# KiCad board Swan40.kicad_pcb
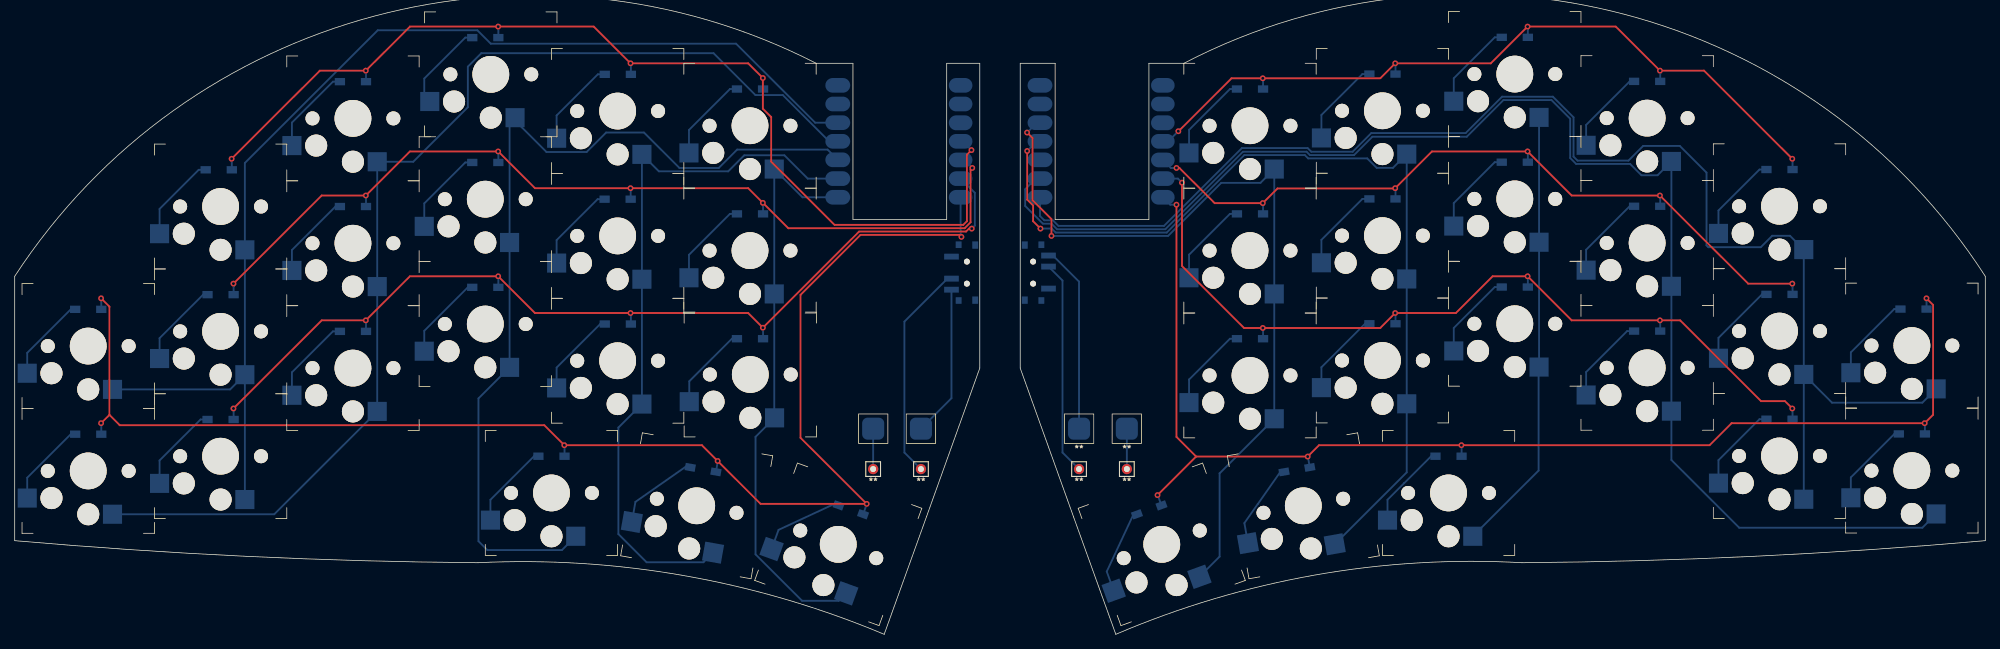
[diagram p0: board, top side]
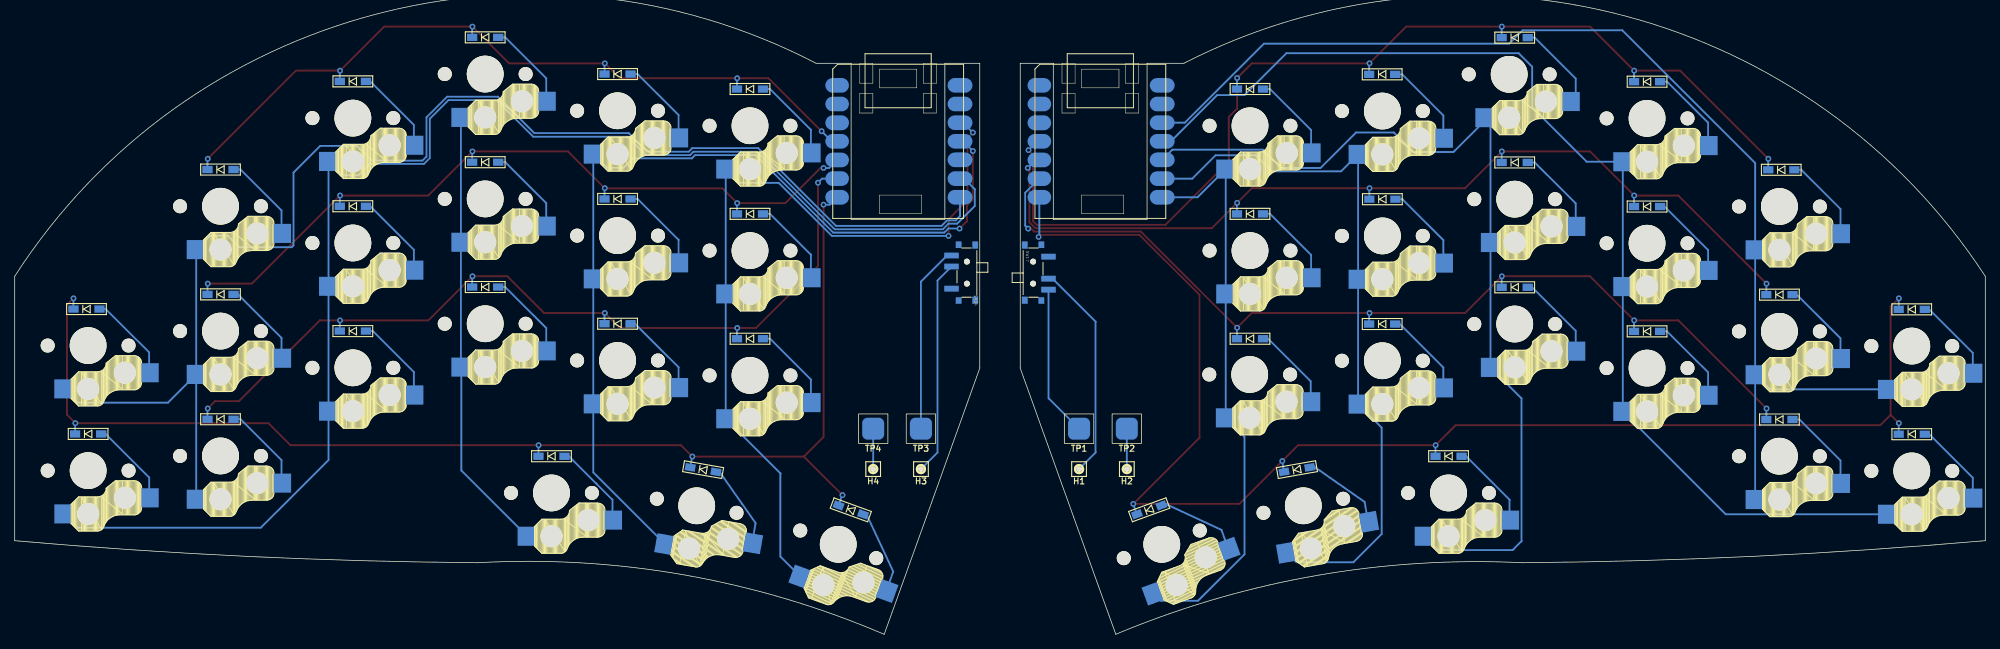
[diagram p1: board, bottom side, seen from below]

Outline 268 x 87.19 mm; copper layers: Top, Bottom. Coordinates in mm from the lower left corner of the outline.
Outline path: 0,48.75 0,12.75 arc(31.47,10.62) 63,9.75 arc(91.17,7.97) 118.25,0 124,16 131.25,36.25 131.25,77.75 126.75,77.75 126.75,56.5 114,56.5 114,77.75 109,77.75 arc(48.93,84.19) 0,48.75 ; 136.75,77.75 136.75,36.25 144,16 149.75,0 arc(176.81,8.07) 205,9.75 arc(236.53,10.62) 268,12.75 268,48.75 arc(219.12,84.37) 159,77.75 154.25,77.75 154.25,56.5 141.5,56.5 141.5,77.75 136.75,77.75

## Placement (name value [footprint] x y rotation side)
D1  D  [D3_SMD_v2]  27.75 63.25 180 bottom
D2  D  [D3_SMD_v2]  28 46.25 180 bottom
D3  D  [D3_SMD_v2]  28 29.25 180 bottom
D4  D  [D3_SMD_v2]  10 44.25 180 bottom
D5  D  [D3_SMD_v2]  46 75.25 180 bottom
D6  D  [D3_SMD_v2]  46 58.25 180 bottom
D7  D  [D3_SMD_v2]  46 41.25 180 bottom
D8  D  [D3_SMD_v2]  10 27.25 180 bottom
D9  D  [D3_SMD_v2]  64 81.25 180 bottom
D10  D  [D3_SMD_v2]  64 64.25 180 bottom
D11  D  [D3_SMD_v2]  64 47.25 180 bottom
D12  D  [D3_SMD_v2]  73 24.25 180 bottom
D13  D  [D3_SMD_v2]  82.03 76.25 180 bottom
D14  D  [D3_SMD_v2]  82 59.25 180 bottom
D15  D  [D3_SMD_v2]  82.03 42.25 180 bottom
D16  D  [D3_SMD_v2]  93.62 22.42 170 bottom
D17  D  [D3_SMD_v2]  100 74.25 180 bottom
D18  D  [D3_SMD_v2]  100 57.25 180 bottom
D19  D  [D3_SMD_v2]  100 40.25 180 bottom
D20  D  [D3_SMD_v2]  113.71 16.95 160 bottom
D21  D  [D3_SMD_v2]  168 74.25 180 bottom
D22  D  [D3_SMD_v2]  168 57.25 180 bottom
D23  D  [D3_SMD_v2]  168 40.25 180 bottom
D24  D  [D3_SMD_v2]  154.29 16.95 200 bottom
D25  D  [D3_SMD_v2]  186.01 76.29 180 bottom
D26  D  [D3_SMD_v2]  186.01 59.29 180 bottom
D27  D  [D3_SMD_v2]  186.01 42.29 180 bottom
D28  D  [D3_SMD_v2]  174.38 22.42 190 bottom
D29  D  [D3_SMD_v2]  204.01 81.29 180 bottom
D30  D  [D3_SMD_v2]  204.01 64.29 180 bottom
D31  D  [D3_SMD_v2]  204.01 47.29 180 bottom
D32  D  [D3_SMD_v2]  195 24.25 180 bottom
D33  D  [D3_SMD_v2]  222.01 75.29 180 bottom
D34  D  [D3_SMD_v2]  222.01 58.29 180 bottom
D35  D  [D3_SMD_v2]  222.01 41.29 180 bottom
D36  D  [D3_SMD_v2]  258.01 27.29 180 bottom
D37  D  [D3_SMD_v2]  240.01 63.29 180 bottom
D38  D  [D3_SMD_v2]  240.01 46.29 180 bottom
D39  D  [D3_SMD_v2]  240.01 29.29 180 bottom
D40  D  [D3_SMD_v2]  258.24 44.29 180 bottom
H1  BAT+  [1pin_conn]  123.25 22.5 180 bottom
H2  BAT-  [1pin_conn]  116.75 22.5 180 bottom
H3  BAT+  [1pin_conn]  144.75 22.5 180 bottom
H4  BAT-  [1pin_conn]  151.25 22.5 180 bottom
SW1  SW_PUSH  [ChocV1_V2_Hotswap]  28 58.25 0 top
SW2  SW_PUSH  [ChocV1_V2_Hotswap]  28 41.25 0 top
SW3  SW_PUSH  [ChocV1_V2_Hotswap]  28 24.25 0 top
SW4  SW_PUSH  [ChocV1_V2_Hotswap]  10 39.25 0 top
SW5  SW_PUSH  [ChocV1_V2_Hotswap]  46 70.25 0 top
SW6  SW_PUSH  [ChocV1_V2_Hotswap]  46 53.25 0 top
SW7  SW_PUSH  [ChocV1_V2_Hotswap]  46 36.25 0 top
SW8  SW_PUSH  [ChocV1_V2_Hotswap]  10 22.25 0 top
SW9  SW_PUSH  [ChocV1_V2_Hotswap]  64.75 76.25 0 top
SW10  SW_PUSH  [ChocV1_V2_Hotswap]  64 59.25 0 top
SW11  SW_PUSH  [ChocV1_V2_Hotswap]  64 42.25 0 top
SW12  SW_PUSH  [ChocV1_V2_Hotswap]  73 19.25 0 top
SW13  SW_PUSH  [ChocV1_V2_Hotswap]  82 71.25 0 top
SW14  SW_PUSH  [ChocV1_V2_Hotswap]  82 54.25 0 top
SW15  SW_PUSH  [ChocV1_V2_Hotswap]  82 37.25 0 top
SW16  SW_PUSH  [ChocV1_V2_Hotswap]  92.75 17.5 350 top
SW17  SW_DPDT_x2  [MSK-12C02]  129.5 49.25 270 bottom
SW18  SW_PUSH  [ChocV1_V2_Hotswap]  100 69.25 0 top
SW19  SW_PUSH  [ChocV1_V2_Hotswap]  100 52.25 0 top
SW20  SW_PUSH  [ChocV1_V2_Hotswap]  100.04 35.38 0 top
SW21  SW_PUSH  [ChocV1_V2_Hotswap]  112 12.25 340 top
SW22  SW_PUSH  [ChocV1_V2_Hotswap]  168 69.25 0 top
SW23  SW_PUSH  [ChocV1_V2_Hotswap]  168 52.25 0 top
SW24  SW_PUSH  [ChocV1_V2_Hotswap]  168 35.25 0 top
SW25  SW_PUSH  [ChocV1_V2_Hotswap]  156 12.25 20 top
SW26  SW_PUSH  [ChocV1_V2_Hotswap]  186.01 71.29 0 top
SW27  SW_PUSH  [ChocV1_V2_Hotswap]  186.01 54.29 0 top
SW28  SW_PUSH  [ChocV1_V2_Hotswap]  186.01 37.29 0 top
SW29  SW_PUSH  [ChocV1_V2_Hotswap]  175.25 17.5 10 top
SW30  SW_PUSH  [ChocV1_V2_Hotswap]  204.01 76.29 0 top
SW31  SW_PUSH  [ChocV1_V2_Hotswap]  204.01 59.29 0 top
SW32  SW_PUSH  [ChocV1_V2_Hotswap]  204.01 42.29 0 top
SW33  SW_PUSH  [ChocV1_V2_Hotswap]  195 19.25 0 top
SW34  SW_DPDT_x2  [MSK-12C02]  138.5 49.25 90 bottom
SW35  SW_PUSH  [ChocV1_V2_Hotswap]  222.01 70.29 0 top
SW36  SW_PUSH  [ChocV1_V2_Hotswap]  222.01 53.29 0 top
SW37  SW_PUSH  [ChocV1_V2_Hotswap]  222.01 36.29 0 top
SW38  SW_PUSH  [ChocV1_V2_Hotswap]  258.01 22.29 0 top
SW39  SW_PUSH  [ChocV1_V2_Hotswap]  240.01 58.29 0 top
SW40  SW_PUSH  [ChocV1_V2_Hotswap]  240.01 41.29 0 top
SW41  SW_PUSH  [ChocV1_V2_Hotswap]  240.01 24.29 0 top
SW42  SW_PUSH  [ChocV1_V2_Hotswap]  258.02 39.32 0 top
TP1  BOARD+  [1pad_conn_board]  123.25 28 180 bottom
TP2  BOARD-  [1pad_conn_board]  116.75 28 180 bottom
TP3  BOARD+  [1pad_conn_board]  144.75 28 180 bottom
TP4  BOARD-  [1pad_conn_board]  151.25 28 180 bottom
U1  -  [xiao_nrf52840]  129.25 56.63 180 bottom
U2  -  [xiao_nrf52840]  156.75 56.63 180 bottom

## Library data of the parts
D1-D40 = -: Description: Diode; Sim.Pins: 1=K 2=A
H1-H4 = -: Description: Mounting Hole with connection
SW17 SW34 = -: Description: Switch, dual pole double throw, separate symbols
TP1-TP4 = -: Description: test point

## Footprints (pads in the part's own frame, mm; a bottom-side part is the same pattern mirrored in y, then rotated)
1pad_conn_board
  rrect 3x3 smd: 1(0,0)
1pin_conn
  round 1.397 hole 0.813: 1(0,0)
ChocV1_V2_Hotswap
  round 1.9 hole 1.9 unplated: (-5.5,0) (5.5,0)
  round 3 hole 3 unplated: (-5,-3.7) (0,-5.9)
  round 5 hole 5 unplated: (0,0)
  rect 2.6x2.6 smd far side: 1(-8.3,-3.7) 2(3.3,-5.9)
D3_SMD_v2
  rect 1.4x1 smd: 1(-1.775,0) 2(1.775,0)
MSK-12C02
  round 0.8 hole 0.8 unplated: (-1.5,0) (1.5,0)
  rect 0.8x2 smd: 1(-2.177,2.1) 2(0.823,2.1) 3(2.323,2.1)
  rect 1x0.8 smd: GND@1(-3.75,-1.125) GND@4(3.75,-1.125)
  rect 0.9x0.8 smd: GND@2(-3.8,1.125) GND@3(3.8,1.125)
xiao_nrf52840
  oval 3.376x1.999 smd: 1(17.312,18.118) 2(17.312,15.578) 3(17.312,13.038) 4(17.312,10.498) 6(17.312,5.418) 7(17.312,2.878)
  oval 3.376x2 smd: 5(17.312,7.979)
  oval 3.207x1.999 smd: 8(0.604,2.878) 9(0.604,5.418) 10(0.604,7.958) 11(0.604,10.498) 13(0.604,15.578) 14(0.604,18.118)
  oval 3.207x2.037 smd: 12(0.604,13.019)

## Nets
LCOL1: SW1.2 SW2.2 SW3.2 SW4.2 U1.3
LCOL2: SW5.2 SW6.2 SW7.2 SW8.2 U1.4
LCOL3: SW9.2 SW10.2 SW11.2 SW12.2 U1.5
LCOL4: SW13.2 SW14.2 SW15.2 SW16.2 U1.6
LCOL5: SW18.2 SW19.2 SW20.2 SW21.2 U1.7
LROW1: D1.1 D5.1 D9.1 D13.1 D17.1 U1.11
LROW2: D2.1 D6.1 D10.1 D14.1 D18.1 U1.10
LROW3: D3.1 D7.1 D11.1 D15.1 D19.1 U1.9
LROW4: D4.1 D8.1 D12.1 D16.1 D20.1 U1.8
RCOL1: SW22.2 SW23.2 SW24.2 SW25.2 U2.3
RCOL2: SW26.2 SW27.2 SW28.2 SW29.2 U2.4
RCOL3: SW30.2 SW31.2 SW32.2 SW33.2 U2.5
RCOL4: SW35.2 SW36.2 SW37.2 SW38.2 U2.6
RCOL5: SW39.2 SW40.2 SW41.2 SW42.2 U2.7
RROW1: D21.1 D25.1 D29.1 D33.1 D37.1 U2.11
RROW2: D22.1 D26.1 D30.1 D34.1 D38.1 U2.10
RROW3: D23.1 D27.1 D31.1 D35.1 D39.1 U2.9
RROW4: D24.1 D28.1 D32.1 D36.1 D40.1 U2.8
Net-(D1-A): D1.2 SW1.1
Net-(D2-A): D2.2 SW2.1
Net-(D3-A): D3.2 SW3.1
Net-(D4-A): D4.2 SW4.1
Net-(D5-A): D5.2 SW5.1
Net-(D6-A): D6.2 SW6.1
Net-(D7-A): D7.2 SW7.1
Net-(D8-A): D8.2 SW8.1
Net-(D9-A): D9.2 SW9.1
Net-(D10-A): D10.2 SW10.1
Net-(D11-A): D11.2 SW11.1
Net-(D12-A): D12.2 SW12.1
Net-(D13-A): D13.2 SW13.1
Net-(D14-A): D14.2 SW14.1
Net-(D15-A): D15.2 SW15.1
Net-(D16-A): D16.2 SW16.1
Net-(D17-A): D17.2 SW18.1
Net-(D18-A): D18.2 SW19.1
Net-(D19-A): D19.2 SW20.1
Net-(D20-A): D20.2 SW21.1
Net-(D21-A): D21.2 SW22.1
Net-(D22-A): D22.2 SW23.1
Net-(D23-A): D23.2 SW24.1
Net-(D24-A): D24.2 SW25.1
Net-(D25-A): D25.2 SW26.1
Net-(D26-A): D26.2 SW27.1
Net-(D27-A): D27.2 SW28.1
Net-(D28-A): D28.2 SW29.1
Net-(D29-A): D29.2 SW30.1
Net-(D30-A): D30.2 SW31.1
Net-(D31-A): D31.2 SW32.1
Net-(D32-A): D32.2 SW33.1
Net-(D33-A): D33.2 SW35.1
Net-(D34-A): D34.2 SW36.1
Net-(D35-A): D35.2 SW37.1
Net-(D36-A): D36.2 SW38.1
Net-(D37-A): D37.2 SW39.1
Net-(D38-A): D38.2 SW40.1
Net-(D39-A): D39.2 SW41.1
Net-(D40-A): D40.2 SW42.1
Net-(H2-Pad1): H2.1 TP2.1
Net-(H4-Pad1): H4.1 TP4.1
Net-(SW17A-B): H1.1 SW17.2
Net-(SW17A-C): SW17.3 TP1.1
Net-(SW34A-B): H3.1 SW34.2
Net-(SW34A-C): SW34.3 TP3.1

Pads without a net: SW17 1 GND@1 GND@2 GND@3 GND@4; SW34 1 GND@1 GND@2 GND@3 GND@4; U1 1 2 12 13 14; U2 1 2 12 13 14

## Via types
v1: diameter 0.8, hole 0.4, Top to Bottom, 52 vias

## Routing (per net, layer and track width the routed paths; a pad name or vN(x,y) marks a point on that pad's centre or on a via; arc(x,y) is an arc through that point)
LCOL1: length 158
  Bottom w0.25: SW1.2 SW2.2 SW3.2
  Bottom w0.254: SW2.2 29.3,33.35 SW4.2 ; U1.3 108.86,69.67 98.11,80.42 64.75,80.42 62.92,82.25 49.37,82.25 31.3,64.18 SW1.2
LCOL2: length 152.8
  Bottom w0.25: SW5.2 SW6.2 SW7.2
  Bottom w0.254: U1.4 110.76,67.13 104.46,73.42 100.75,73.42 95.04,79.13 63.46,79.13 61.63,77.29 61.63,71.77 54.2,64.35 SW5.2 ; SW8.2 35.3,16.35 SW7.2
LCOL3: length 124.7
  Bottom w0.25: SW11.2 SW10.2 67.3,70.35
  Bottom w0.254: SW12.2 74.42,11.47 64.28,11.47 63.07,12.68 63.07,32.12 SW11.2 ; U1.5 110.55,66 98.25,66 95.75,63.5 90.4,63.5 85.58,68.33 80.43,68.33 77.78,65.67 72.32,65.67 68.05,69.95 SW9.2
LCOL4: length 97.8
  Bottom w0.25: SW13.2 SW14.2 SW15.2
  Bottom w0.254: SW15.2 82.1,28.15 82.1,13.65 85.94,9.81 93.67,9.81 SW16.2 ; SW13.2 87.6,63.05 97.04,63.05 99.22,65.23 104.68,65.23 107.85,62.05 U1.6
LCOL5: length 79.3
  Bottom w0.25: SW18.2 SW19.2 103.3,29.35
  Bottom w0.254: U1.7 107.14,59.51 SW18.2 ; SW20.2 100.75,26.89 100.75,10.89 107.08,4.56 112.07,4.56 SW21.2
LROW1: length 144.3
  Top w0.254: v1(130.12,65.93) 129.5,65.31 129.5,56.25 129,55.75 111.5,55.75 102.88,64.37 102.88,70.44 101.75,71.57 v1(101.75,75.75) 99.75,77.75 v1(83.75,77.75) 78.75,82.75 v1(65.75,82.75) 53.75,82.75 v1(47.75,76.75) 41.5,76.75 v1(29.5,64.75)
  Bottom w0.254: v1(130.12,65.93) 128.92,67.13 U1.11 ; v1(47.75,76.75) 47.78,76.72 D5.1 ; D17.1 101.78,75.72 v1(101.75,75.75) ; D1.1 29.52,64.72 v1(29.5,64.75) ; D9.1 65.78,82.72 v1(65.75,82.75) ; v1(83.75,77.75) 83.8,77.7 D13.1
LROW2: length 129.4
  Top w0.254: v1(130.23,63.5) 130,63.27 130,56.11 129.19,55.3 105.2,55.3 v1(101.75,58.75) 99.75,60.75 v1(83.75,60.75) 70.75,60.75 v1(65.75,65.75) 53.75,65.75 v1(47.75,59.75) 41.75,59.75 v1(29.75,47.75)
  Bottom w0.254: D14.1 83.78,60.73 v1(83.75,60.75) ; D18.1 101.78,58.73 v1(101.75,58.75) ; U1.10 129.14,64.59 v1(130.23,63.5) ; v1(29.75,47.75) 29.77,47.72 D2.1 ; v1(47.75,59.75) 47.78,59.73 D6.1 ; v1(65.75,65.75) 65.78,65.72 D10.1
LROW3: length 131.7
  Top w0.254: v1(130.16,55.24) 129.78,55.24 129.38,54.84 114.84,54.84 v1(101.75,41.75) 99.75,43.75 v1(83.75,43.75) 70.75,43.75 v1(65.75,48.75) 53.75,48.75 v1(47.75,42.75) 41.75,42.75 v1(29.75,30.75)
  Bottom w0.254: D7.1 47.78,42.72 v1(47.75,42.75) ; D3.1 29.77,30.72 v1(29.75,30.75) ; D15.1 83.8,43.7 v1(83.75,43.75) ; v1(101.75,41.75) 101.78,41.72 D19.1 ; U1.9 130.58,60.12 130.58,55.66 v1(130.16,55.24) ; D11.1 65.78,48.72 v1(65.75,48.75)
LROW4: length 196.5
  Top w0.254: 12.88,29.88 14.28,28.47 72.03,28.47 v1(74.75,25.75) 93.45,25.75 v1(95.6,23.6) 101.44,17.76 v1(115.87,17.76) 106.87,26.76 106.87,46.23 115.03,54.39 128.48,54.39 v1(128.75,54.12) ; 12.88,29.88 12.88,44.62 v1(11.75,45.75) ; 12.88,29.88 v1(11.75,28.75)
  Bottom w0.254: v1(128.75,54.12) 128.65,54.22 U1.8 ; v1(11.75,28.75) 11.77,28.72 D8.1 ; D4.1 11.77,45.72 v1(11.75,45.75) ; D12.1 74.78,25.72 v1(74.75,25.75) ; v1(95.6,23.6) 95.62,23.57 D16.1 ; v1(115.87,17.76) 115.88,17.73 D20.1
RCOL1: length 111.6
  Top w0.254: v1(137.69,68.32) 138.42,67.59 138.42,59.11 141,56.53 v1(141,54.25)
  Bottom w0.254: v1(141,54.25) 156.86,54.25 164.09,61.47 169.42,61.47 SW22.2 SW23.2 SW24.2 163.85,21.9 ; 163.87,21.94 163.87,10.58 SW25.2 ; v1(137.69,68.32) 139.03,69.67 U2.3
RCOL2: length 126.7
  Top w0.254: v1(137.7,65.81) 137.7,59.19 138.5,58.39 138.5,56.25 v1(139.5,55.25)
  Bottom w0.254: SW29.2 189.31,22.05 SW28.2 SW27.2 SW26.2 187.44,63.51 185.24,63.51 183.94,64.8 175.91,64.8 175.45,65.26 167.23,65.26 156.67,54.7 141.57,54.7 141.03,55.25 v1(139.5,55.25) ; v1(137.7,65.81) 139.01,67.13 U2.4
RCOL3: length 60.8
  Bottom w0.254: SW33.2 207.25,22.3 207.25,36.33 SW32.2 SW31.2 SW30.2
RCOL4: length 191.2
  Bottom w0.254: SW38.2 259.44,14.51 234.54,14.51 225.31,23.73 SW37.2 SW36.2 SW35.2 223.44,62.51 221.24,62.51 219.7,64.05 212.36,64.05 211.55,64.86 211.55,70.2 209,72.75 202.47,72.75 197.47,67.75 184.64,67.75 182.15,65.26 176.15,65.26 175.69,65.71 167.04,65.71 156.49,55.16 141.76,55.16 141,55.92 139.83,55.92 137.42,58.33 137.42,60.6 138.87,62.05 U2.6
RCOL5: length 189.6
  Bottom w0.254: SW40.2 SW39.2 241.44,54.26 239.01,54.26 237.46,52.71 230.34,52.71 230.09,52.96 230.09,62.87 226.45,66.5 221.47,66.5 219.47,64.5 212.55,64.5 212,65.05 212,70.39 209.19,73.2 202.28,73.2 197.33,68.25 184.5,68.25 181.96,65.71 176.34,65.71 175.83,66.21 166.9,66.21 156.3,55.61 141.95,55.61 141.19,56.37 140.02,56.37 139.44,56.95 U2.7 ; SW40.2 SW41.2 ; SW40.2 247.16,31.54 259.44,31.54 SW42.2
RROW1: length 106.9
  Top w0.254: 185.74,75.71 v1(169.74,75.71) 165.49,75.71 158.24,68.46 ; v1(241.75,64.75) 229.75,76.75 v1(223.75,76.75) 217.75,82.75 v1(205.75,82.75) 200.75,77.75 v1(187.75,77.75) 185.75,75.75
  Bottom w0.254: v1(158.25,68.5) 156.88,67.13 U2.11 ; D25.1 187.79,77.71 v1(187.75,77.75) ; D33.1 223.79,76.71 v1(223.75,76.75) ; D21.1 169.78,75.67 v1(169.74,75.71) ; v1(241.75,64.75) 241.79,64.71 D37.1 ; D29.1 205.79,82.71 v1(205.75,82.75)
RROW2: length 105.8
  Top w0.254: v1(241.75,47.75) 235.75,47.75 v1(223.75,59.75) 211.75,59.75 v1(205.75,65.75) 192.75,65.75 v1(187.75,60.75) ; 187.74,60.71 171.74,60.71 v1(169.74,58.71) 163.19,58.71 158.4,63.5 v1(158,63.5)
  Bottom w0.254: D22.1 169.78,58.67 v1(169.74,58.71) ; D38.1 241.79,47.71 v1(241.75,47.75) ; v1(205.75,65.75) 205.79,65.71 D30.1 ; v1(187.75,60.75) 187.79,60.71 D26.1 ; v1(223.75,59.75) 223.79,59.71 D34.1 ; U2.10 157.24,63.5 v1(158,63.5)
RROW3: length 118.4
  Top w0.254: 158.75,50.2 v1(158.75,61.5) ; 185.74,41.71 v1(169.74,41.71) 167.18,41.71 158.74,50.16 ; 185.75,41.75 v1(187.75,43.75) 196,43.75 201,48.75 v1(205.75,48.75) 211.75,42.75 v1(223.75,42.75) 226.5,42.75 237.5,31.75 240.75,31.75 v1(241.75,30.75)
  Bottom w0.254: D31.1 205.79,48.71 v1(205.75,48.75) ; v1(187.75,43.75) 187.79,43.71 D27.1 ; v1(169.74,41.71) 169.78,41.67 D23.1 ; D39.1 241.79,30.71 v1(241.75,30.75) ; U2.9 158.2,62.05 v1(158.75,61.5) ; D35.1 223.79,42.71 v1(223.75,42.75)
RROW4: length 171.4
  Top w0.254: 160.67,24.21 v1(175.84,24.21) 177.39,25.75 v1(196.75,25.75) 230.5,25.75 233.5,28.75 v1(259.75,28.75) 260.89,29.89 260.89,44.86 v1(260,45.75) ; 160.67,24.21 158,26.88 v1(158,58.5) ; 160.67,24.21 v1(155.42,18.96)
  Bottom w0.254: D40.1 260.01,45.74 v1(260,45.75) ; D28.1 175.87,24.18 v1(175.84,24.21) ; v1(155.42,18.96) 155.45,18.94 D24.1 ; v1(158,58.5) 157.16,58.5 U2.8 ; v1(259.75,28.75) 259.79,28.71 D36.1 ; v1(196.75,25.75) 196.78,25.72 D32.1
Net-(D1-A): length 11.9
  Bottom w0.25: SW1.1 19.7,57.92 25.02,63.25 D1.2
Net-(D2-A): length 11.8
  Bottom w0.25: D2.2 25.63,46.25 19.7,40.32 SW2.1
Net-(D3-A): length 12
  Bottom w0.25: SW3.1 19.7,23.67 25.27,29.25 D3.2
Net-(D4-A): length 11.8
  Bottom w0.25: D4.2 7.63,44.25 1.7,38.32 SW4.1
Net-(D5-A): length 12
  Bottom w0.25: D5.2 43.28,75.25 37.7,69.67 SW5.1
Net-(D6-A): length 11.8
  Bottom w0.25: SW6.1 37.7,52.32 43.63,58.25 D6.2
Net-(D7-A): length 12
  Bottom w0.25: D7.2 43.28,41.25 37.7,35.67 SW7.1
Net-(D8-A): length 11.8
  Bottom w0.25: SW8.1 1.7,21.32 7.63,27.25 D8.2
Net-(D9-A): length 12
  Bottom w0.25: 55.7,72.55 55.7,75.67 61.28,81.25 D9.2
Net-(D10-A): length 12
  Bottom w0.25: SW10.1 55.7,58.67 61.28,64.25 D10.2
Net-(D11-A): length 11.8
  Bottom w0.25: SW11.1 55.7,41.32 61.63,47.25 D11.2
Net-(D12-A): length 11.8
  Bottom w0.25: SW12.1 64.7,18.32 70.63,24.25 D12.2
Net-(D13-A): length 12
  Bottom w0.25: D13.2 79.3,76.25 73.7,70.65 SW13.1
Net-(D14-A): length 12
  Bottom w0.25: SW14.1 73.7,53.67 79.28,59.25 D14.2
Net-(D15-A): length 11.8
  Bottom w0.25: SW15.1 73.7,36.32 79.63,42.25 D15.2
Net-(D16-A): length 11.8
  Bottom w0.254: D16.2 91.28,22.84 84.42,18.03 SW16.1
Net-(D17-A): length 12
  Bottom w0.25: D17.2 97.28,74.25 91.7,68.67 SW18.1
Net-(D18-A): length 12
  Bottom w0.25: SW19.1 91.7,51.67 97.28,57.25 D18.2
Net-(D19-A): length 12.3
  Bottom w0.25: 97.63,40.25 D19.2
  Bottom w0.254: D19.2 97.54,40.25 91.74,34.45 SW20.1
Net-(D20-A): length 11.8
  Bottom w0.254: D20.2 111.48,17.76 103.88,14.22 SW21.1
Net-(D21-A): length 12
  Bottom w0.25: D21.2 165.28,74.25 159.7,68.67 ; 159.71,65.59 159.71,68.71
Net-(D22-A): length 12
  Bottom w0.25: D22.2 165.28,57.25 159.7,51.67 ; 159.71,48.59 159.71,51.71
Net-(D23-A): length 12
  Bottom w0.25: 159.71,31.59 159.71,34.71 ; D23.2 165.28,40.25 159.7,34.67
Net-(D24-A): length 11.8
  Bottom w0.25: D24.2 152.06,16.14 148.52,8.54 SW25.1
Net-(D25-A): length 12
  Bottom w0.25: D25.2 183.29,76.29 177.71,70.71 SW26.1
Net-(D26-A): length 12
  Bottom w0.25: D26.2 183.29,59.29 177.71,53.71 SW27.1
Net-(D27-A): length 11.8
  Bottom w0.25: SW28.1 177.71,36.36 183.64,42.29 D27.2
Net-(D28-A): length 11.8
  Bottom w0.25: D28.2 172.06,22.01 169.07,17.76 169.06,17.75 167.24,15.15 SW29.1
Net-(D29-A): length 12
  Bottom w0.25: SW30.1 195.71,75.71 201.29,81.29 D29.2
Net-(D30-A): length 12
  Bottom w0.254: D30.2 201.28,64.29 195.71,58.72 SW31.1
Net-(D31-A): length 12
  Bottom w0.25: SW32.1 195.71,41.71 201.29,47.29 D31.2
Net-(D32-A): length 11.8
  Bottom w0.25: D32.2 192.64,24.25 188.96,20.58 188.95,20.58 186.7,18.32 SW33.1
Net-(D33-A): length 11.8
  Bottom w0.25: SW35.1 213.71,69.36 219.64,75.29 D33.2
Net-(D34-A): length 11.8
  Bottom w0.254: D34.2 219.64,58.29 213.71,52.36 SW36.1
Net-(D35-A): length 12
  Bottom w0.25: D35.2 219.29,41.29 213.71,35.71 SW37.1
Net-(D36-A): length 11.8
  Bottom w0.25: D36.2 255.64,27.29 249.71,21.36 SW38.1
Net-(D37-A): length 12
  Bottom w0.25: SW39.1 231.71,57.71 237.29,63.29 D37.2
Net-(D38-A): length 11.8
  Bottom w0.254: SW40.1 231.71,40.36 237.64,46.29 D38.2
Net-(D39-A): length 12
  Bottom w0.25: D39.2 237.29,29.29 231.71,23.71 SW41.1
Net-(D40-A): length 12
  Bottom w0.25: D40.2 255.61,44.29 249.72,38.39 SW42.1
Net-(H2-Pad1): length 5.5
  Bottom w0.254: H2.1 TP2.1
Net-(H4-Pad1): length 5.5
  Bottom w0.254: H4.1 TP4.1
Net-(SW17A-B): length 29.8
  Bottom w0.254: H1.1 121,24.75 121,42.58 126.85,48.43 SW17.2
Net-(SW17A-C): length 20.6
  Bottom w0.254: TP1.1 127.4,32.15 SW17.3
Net-(SW34A-B): length 29.3
  Bottom w0.254: H3.1 142.5,24.75 142.5,48.17 SW34.2
Net-(SW34A-C): length 25.6
  Bottom w0.254: TP3.1 144.75,48.02 141.2,51.57 SW34.3
